# Altium PCB eps-flight.PcbDoc (part 4 of 4)
Units mm, origin at the board's own origin, x right, y up, seen from the top; angles counter-clockwise.
Board outline 94.67 x 90.17 mm, 4 copper layers (Top Layer, GND, VCC, Bottom Layer), stack 0.778 mm thick; 267 components, 191 nets, 1098 pads, 693 vias.
Unrouted connection lines stored in the file: 8.
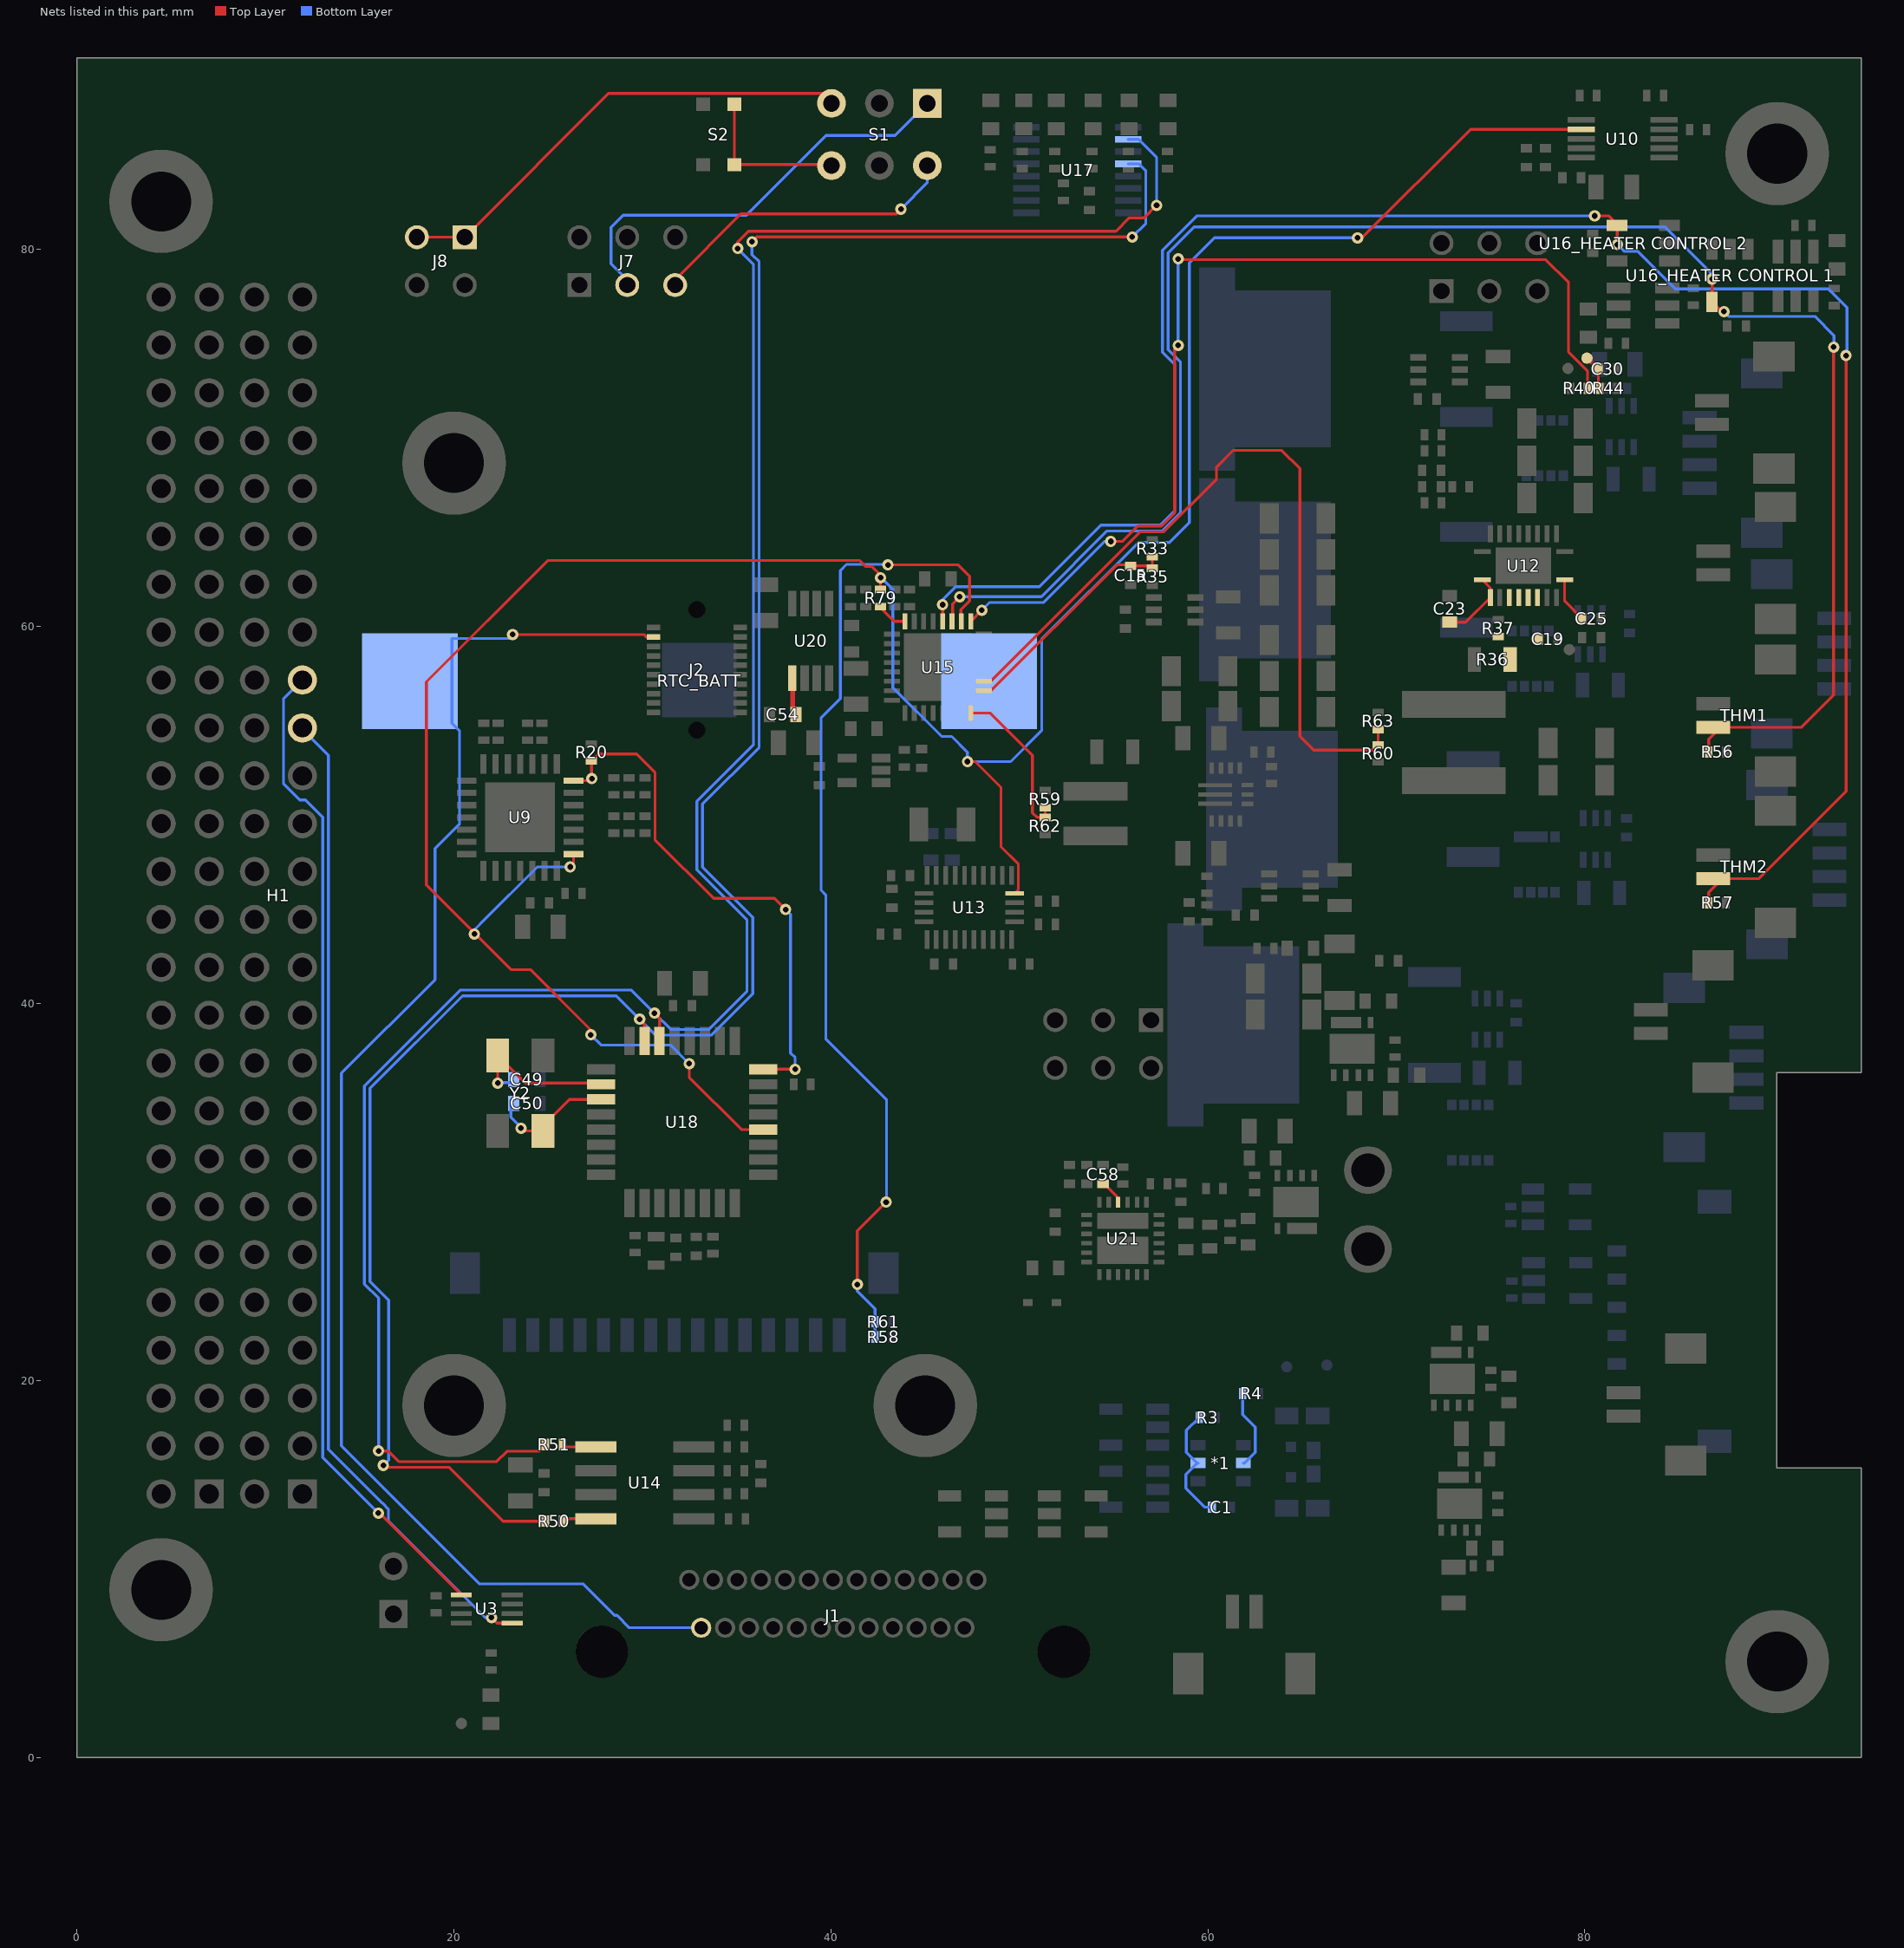
[diagram p6: the nets of this part, all layers, seen from the top]

## Via types
v1: diameter 0.6, hole 0.3, Top Layer to Bottom Layer, tented both sides, 693 vias

## Nets (pads, with @x,y where several pads share a name; then routed paths per layer and width w, separated by ;. In a path a pad name is that pad's centre, name@x,y a point inside that pad or via, vN(x,y) a via of type N, cw(c..) or ccw(c..) an arc to the next point about the centre after c; other vN are vias at no path point) (continued)
RST_PEX: R20.1 U9.14 U18.32 | length 28.6
  Top Layer w0.152: U9.14@26.345,51.821 27.207,51.821 v1@27.298,51.912 ; U18.32@36.407,36.51 v1(38.1,36.51) ; v1(37.596,44.983) 37.002,45.577 33.782,45.577 30.668,48.691 30.668,52.261 29.69,53.238 27.67,53.238 R20.1@27.298,52.866 v1@27.298,51.912 ; v1@27.298,51.912 27.298,51.832 27.399,51.934 v1(27.32,51.934) v1@27.298,51.912
  Bottom Layer w0.152: v1(37.596,44.983) 37.854,44.725 37.854,37.372 38.1,37.126 v1(38.1,36.51)
RST_PROG: J7.5 S1.4 | length 16.7
  Top Layer w0.152: J7.5@31.733,78.117 31.733,78.404 35.221,81.891 43.461,81.891 v1(43.713,82.144)
  Bottom Layer w0.152: v1(43.713,82.144) 45.11,83.541 S1.4@45.11,84.455
RST_SW: S1.6 S2.1 | length 8.4
  Top Layer w0.152: S2.1@34.873,87.706 S2.1@34.873,84.506 39.979,84.506 S1.6@40.03,84.455
RTC_VBATT: J1.25 J2.17 RTC_BATT.1 | length 79.7
  Top Layer w0.152: v1(23.114,59.575) 30.073,59.575 30.208,59.44 J2.17@30.59,59.44
  Bottom Layer w0.152: v1(23.114,59.575) 22.899,59.36 19.89,59.36 19.89,54.864 20.299,54.455 20.299,49.538 18.991,48.23 18.991,41.261 14.026,36.297 14.026,16.533 21.357,9.202 26.856,9.202 28.517,7.54 28.644,7.54 29.305,6.88 J1.25@33.115,6.88
  Bottom Layer w0.2: v1(23.114,59.575) v1@23.253,59.575
RTRYDLY: C58.2 U21.10 | length 1.4
  Top Layer w0.152: C58.2@54.436,30.434 54.436,30.278 54.635,30.278 55.236,29.676 U21.10@55.236,29.443
RX_SW: J8.1 J8.3 S1.3 | length 25.4
  Top Layer w0.152: J8.3@18.034,80.657 J8.1@20.574,80.657 28.201,88.285 39.503,88.285 S1.3@40.03,87.757
RXCAN: R50.2 U17.12 U18.7 | length 123.5
  Top Layer w0.152: v1(16.256,15.494) 16.363,15.387 19.754,15.387 22.606,12.534 R50.2@24.851,12.534 R50.2@24.851,12.79 ; v1(29.852,39.163) 30.107,38.908 U18.7@30.107,38.01 ; v1@35.814,80.396 v1(35.814,80.417) 36.068,80.67 v1(55.982,80.67)
  Bottom Layer w0.152: v1(16.256,15.494) 16.531,15.769 16.531,24.263 15.55,25.244 15.55,35.5 20.457,40.407 28.608,40.407 v1(29.852,39.163) 30.698,38.317 33.652,38.317 35.848,40.513 35.848,44.565 33.192,47.221 33.192,50.591 36.19,53.588 36.19,79.353 35.814,79.729 v1(35.814,80.417) ; U17.12@55.774,84.548 56.331,84.548 56.703,84.176 56.703,81.392 v1(55.982,80.67)
RXD_R: R50.1 U14.4 | length 1.8
  Top Layer w0.152: R50.1@25.751,12.534 25.878,12.661 U14.4@27.527,12.661
SCK: R79.1 U9.8 U10.7 U13.19 U18.28 | length 147.6
  Top Layer w0.15: v1(21.082,43.688) v1@21.082,43.745 ; v1(26.162,47.244) 26.345,47.427 U9.8@26.345,47.921 ; v1(27.257,38.34) 27.257,38.595 24.056,41.796 23.031,41.796 v1@21.082,43.745 ; v1(32.48,36.803) 32.48,36.084 35.254,33.31 U18.28@36.407,33.31 ; R79.1@42.628,61.959 v1(42.628,62.586) ; v1@42.628,62.731 42.164,63.195 41.831,63.195 41.528,63.499 24.974,63.499 18.539,57.064 18.539,46.288 v1@21.082,43.745 ; v1(47.244,52.832) 47.65,52.832 49.022,51.46 49.022,48.305 49.943,47.384 49.943,46.042 U13.19@49.74,45.84 ; v1(67.938,80.623) 68.177,80.623 73.93,86.376 U10.7@79.799,86.376
  Bottom Layer w0.15: v1(21.082,43.688) 21.082,43.911 21.217,44.046 ; 21.218,44.046 21.527,44.355 ; 21.527,44.356 24.415,47.244 v1(26.162,47.244) ; v1(27.257,38.34) 27.804,37.792 31.491,37.792 v1(32.48,36.803) ; v1(42.628,62.586) 42.663,62.586 43.273,61.975 43.288,61.975 43.288,56.752 45.874,54.165 46.402,54.165 47.244,53.324 v1(47.244,52.832) 49.53,52.832 51.179,54.481 51.179,59.329 56.313,64.463 57.96,64.463 59.008,65.511 59.008,79.29 60.342,80.623 v1(67.938,80.623)
SCK_A: J7.3 S1.1 | length 22.9
  Bottom Layer w0.152: J7.3@29.193,78.117 29.193,78.384 28.33,79.248 28.33,81.173 28.983,81.826 35.516,81.826 39.746,86.055 43.409,86.055 S1.1@45.11,87.757
SCLK_R: R79.2 U15.24 | length 1.8
  Top Layer w0.152: R79.2@42.628,61.17 R79.2@42.628,61.059 42.628,60.991 43.343,60.276 U15.24@43.922,60.276
SS: C25.2 U12.10 | length 2.4
  Top Layer w0.15: U12.10@78.921,62.477 78.921,61.353 C25.2@79.855,60.419
SW_BOOST: C19.1 R36.2 R37.1 U12.4 U12.5 U12.6 U12.7
THM_3V3_TOP: R59.1 R62.2 U15.8 | length 8.5
  Top Layer w0.152: U15.8@47.422,55.406 48.456,55.406 50.688,53.174 50.688,50.118 50.936,49.87 R62.2@51.365,49.87 R59.1@51.365,50.387
THM_5V_TOP: R60.1 R63.2 U15.11 | length 42.2
  Top Layer w0.152: U15.11@48.107,57.091 48.48,57.091 56.413,65.024 57.658,65.024 60.452,67.818 60.452,68.469 61.325,69.342 63.912,69.342 64.872,68.382 64.872,54.179 65.61,53.44 68.749,53.44 R60.1@69.027,53.718 R63.2@69.027,54.538
THM_BATT1: "U16_HEATER CONTROL 1.4" R56.2 THM1.2 U15.19 | length 95.7
  Top Layer w0.152: U15.19@46.422,60.276 46.451,60.304 46.451,61.201 v1(46.831,61.582) ; R56.2@86.57,53.34 86.57,54.021 87.2,54.651 91.482,54.651 93.193,56.362 v1(93.193,74.828) ; v1(86.744,78.442) 86.744,77.222 87.258,76.708 v1(87.376,76.708)
  Bottom Layer w0.152: v1(46.831,61.582) 51.162,61.582 54.652,65.071 57.596,65.071 58.539,66.014 58.539,74.046 57.891,74.693 57.891,79.83 59.263,81.201 63.409,81.201 84.239,81.201 v1@86.998,78.442 ; v1(87.376,76.708) 87.63,76.454 92.202,76.454 93.218,75.438 93.218,74.854 v1(93.193,74.828)
THM_BATT2: "U16_HEATER CONTROL 2.4" R57.2 THM2.2 U15.20 | length 105
  Top Layer w0.152: U15.20@45.922,60.276 v1(45.922,61.158) ; v1(80.518,81.788) 81.252,81.788 81.716,81.323 81.687,81.294 81.694,81.287 81.716,81.265 v1(81.716,80.264) ; R57.2@86.57,45.34 86.57,45.89 87.307,46.627 89.23,46.627 93.853,51.25 v1(93.853,74.381)
  Bottom Layer w0.152: v1(45.922,61.158) 45.922,61.42 46.612,62.11 51.061,62.11 54.327,65.376 57.47,65.376 58.234,66.14 58.234,73.905 57.587,74.553 57.587,79.956 59.419,81.788 63.652,81.788 v1(80.518,81.788) ; v1(81.716,80.264) 82.072,79.908 82.351,79.908 82.359,79.916 82.798,79.916 84.8,77.913 92.913,77.913 93.907,76.919 93.907,74.434 v1(93.853,74.381)
THM_PAY_CONN: R58.1 R61.2 U15.18 | length 53.4
  Top Layer w0.152: v1(41.402,25.092) 41.402,27.94 v1(42.926,29.464) ; v1(43.028,63.271) 46.755,63.271 47.36,62.666 47.36,61.363 46.893,60.896 46.893,60.304 U15.18@46.922,60.276
  Bottom Layer w0.152: v1(41.402,25.092) 41.402,24.729 42.336,23.794 R61.2@42.336,23.114 R61.2@42.336,22.824 ; R58.1@42.336,22.302 R61.2@42.336,22.824 ; R61.2@42.343,22.83 R61.2@42.336,22.824 ; v1(42.926,29.464) 42.947,29.485 42.947,34.899 39.726,38.12 39.726,45.756 39.48,46.002 39.48,55.162 40.497,56.179 40.497,62.962 40.832,63.297 43.028,63.297 v1(43.028,63.271)
TRANS_RxD: H1.33 U3.1 | length 52.8
  Top Layer w0.152: v1(21.996,7.416) 22.289,7.124 U3.1@23.092,7.124
  Bottom Layer w0.152: H1.33@11.96,54.62 11.96,54.545 13.34,53.166 13.34,16.343 16.199,13.485 16.212,13.485 16.522,13.175 16.522,12.547 21.653,7.416 v1(21.996,7.416)
TRANS_TxD: H1.35 U3.5 | length 53.1
  Top Layer w0.152: v1(15.993,12.956) 16.06,12.956 U3.5@20.392,8.624
  Bottom Layer w0.152: H1.35@11.96,57.16 10.957,56.156 10.957,51.664 11.821,50.8 12.12,50.8 13.035,49.885 13.035,15.914 v1(15.993,12.956)
TRIM/NR: C54.2 U20.5 | length 2
  Top Layer w0.25: U20.5@37.952,57.266 37.973,57.246 37.973,55.493 C54.2@38.133,55.332
TXCAN: R51.2 U17.10 U18.6 | length 124.8
  Top Layer w0.152: v1(16.002,16.256) 16.51,16.256 17.075,15.691 22.27,15.691 22.817,16.239 24.492,16.239 R51.2@24.851,16.598 ; v1(30.637,39.49) 30.907,39.22 U18.6@30.907,38.01 ; v1(35.052,80.06) 35.052,80.402 35.625,80.975 55.116,80.975 55.828,81.686 56.619,81.686 v1(57.277,82.344)
  Bottom Layer w0.152: v1(16.002,16.256) 16.002,24.361 15.246,25.117 15.246,35.627 20.33,40.711 29.415,40.711 v1(30.637,39.49) 30.637,39.486 31.501,38.621 33.526,38.621 35.543,40.639 35.543,44.439 32.888,47.095 32.888,50.717 35.885,53.715 35.885,79.226 v1(35.052,80.06) ; U17.10@55.774,85.848 56.323,85.848 57.277,84.894 v1(57.277,82.344)
TXD_R: R51.1 U14.1 | length 1.8
  Top Layer w0.152: R51.1@25.751,16.598 25.878,16.471 U14.1@27.527,16.471
VCC_BOOST: C23.2 U12.1 U12.2 | length 3.8
  Top Layer w0.152: C23.2@72.825,60.229 73.673,60.229 U12.2@74.986,61.542 74.986,62.042 U12.1@74.551,62.477
VDD: *1.5 C1.2 R3.1 | length 6.4
  Bottom Layer w0.152: *1.5@59.478,15.611 *1.5@59.43,15.611 ; R3.1@59.537,18.034 58.85,17.347 58.85,16.191 *1.5@59.43,15.611 ; C1.2@60.206,13.274 59.838,13.274 58.826,14.286 58.826,15.007 *1.5@59.43,15.611
VM: *1.2 R4.2 | length 4.3
  Bottom Layer w0.152: R4.2@61.845,19.304 61.845,18.19 62.507,17.528 62.507,16.191 61.926,15.611 *1.2@61.878,15.611
VMON_3V3: C15.2 R33.1 R35.2 U15.10 | length 12.3
  Top Layer w0.152: U15.10@48.107,56.591 48.486,56.591 55.166,63.271 55.964,63.271 C15.2@55.905,63.213 57.029,63.213 57.048,63.232 R33.1@57.048,63.695
VMON_5V: C30.1 pad.6 R40.1 R44.2 U15.17 | length 56.5
  Top Layer w0.152: U15.17@47.422,60.276 v1(48.006,60.86) ; v1(54.844,64.516) 55.474,64.516 56.287,65.328 57.531,65.328 58.234,66.031 58.234,74.726 v1(58.42,74.912) ; v1(58.42,79.502) 58.458,79.464 77.925,79.464 79.128,78.26 79.128,74.563 80.14,73.551 R40.1@80.14,72.644 R44.2@80.794,72.644 80.714,72.724 C30.1@80.714,73.66
  Top Layer w0.2: pad.6@80.106,74.238 C30.1@80.714,73.66
  Bottom Layer w0.152: v1(48.006,60.86) 48.423,61.277 51.296,61.277 54.535,64.516 v1(54.844,64.516) ; v1(58.42,74.912) v1(58.42,79.502)
XTAL1: C49.2 U18.10 Y2.1 | length 8.3
  Top Layer w0.152: v1(22.327,35.77) 22.323,35.774 Y2.1@22.323,37.234 23.773,35.784 27.733,35.784 U18.10@27.807,35.71
  Bottom Layer w0.152: v1(22.327,35.77) 22.353,35.796 C49.2@23.043,35.796
XTAL2: C50.2 U18.11 Y2.3 | length 6.8
  Top Layer w0.152: v1(23.557,33.38) 23.702,33.234 Y2.3@24.723,33.234 24.723,33.502 26.131,34.91 U18.11@27.807,34.91
  Bottom Layer w0.152: C50.2@23.027,34.834 23.027,33.97 23.557,33.44 v1(23.557,33.38)
pads on no net: *1.4 DEP+. DEP-. H1.1 H1.2 H1.3 H1.4 H1.5 H1.6 H1.7 H1.8 H1.9 H1.10 H1.11 H1.12 H1.13 H1.14 H1.15 H1.16 H1.17 H1.18 H1.19 H1.20 H1.21 H1.22 H1.23 H1.24 H1.25 H1.26 H1.27 H1.28 H1.29 H1.30 H1.31 H1.32 H1.34 H1.36 H1.37 H1.38 H1.39 H1.40 H1.41 H1.42 H1.43 H1.44 H1.45 H1.46 H1.47 H1.48 H1.49 H1.50 H1.51 H1.52 H2.1 H2.2 H2.3 H2.4 H2.5 H2.6 H2.7 H2.8 H2.9 H2.10 H2.11 H2.12 H2.13 H2.14 H2.15 H2.16 H2.17 H2.18 H2.19 H2.20 H2.21 H2.22 H2.23 H2.24 H2.27 H2.28 H2.33 H2.34 H2.35 H2.36 H2.37 H2.38 H2.39 H2.40 H2.41 H2.42 H2.43 H2.44 H2.45 H2.46 H2.47 H2.48 H2.49 H2.50 H2.51 H2.52 HEAT1. HEAT2. J1. J2. J3. J4. J6. PX+. PX-. PY+. PY-. THM1. THM2. U1.1 U2.1 U13.1 U13.7 U13.8 U13.12 U13.13 U13.21 U13.22 U13.23 U13.24 U20.1 U20.3 U20.7 U20.8 U21.13

## Polygon pours and split planes (outlines as drawn)
-PACK_RBF on Top Layer "Top Layer--PACK_RBF 1" (solid, remove dead copper, pour order 305): 74.555,14.313 70.358,14.313 70.358,16.463 65.04,16.463 65.04,9.144 74.555,9.144
GND on Top Layer "Top Layer-GND 11" (solid, remove dead copper, pour order 308): 64.203,42.904 65.024,43.725 65.024,44.302 61.976,44.302 61.976,38.397 62.428,37.922 64.203,37.922
no net on Top Layer "Top Layer-No Net 7" (solid, remove dead copper, pour order 451): 64.664,9.798
+5V on Top Layer "Top Layer-+5V" (solid, remove dead copper, pour order 362): 74.313,75.934 71.018,75.934 71.018,78.75 78.638,78.75 78.638,73.629 74.32,73.629 74.32,74.922 74.313,74.94
+PACK_FILT on Top Layer "Top Layer-+PACK_R 1" (solid, remove dead copper, pour order 309): 64.613,38.614 66.192,38.614 66.192,41.92 69.304,41.92 69.304,45.593 66.13,45.593 66.13,45.101 64.613,45.101
GND on Top Layer "Top Layer-GND 6" (solid, remove dead copper, pour order 447): 30.063,57.005 28.031,57.005 28.031,59.463 30.063,59.463
GND on Top Layer "Top Layer-GND 10" (solid, remove dead copper, pour order 445): 35.23,38.76 29.186,38.754 29.186,37.416 28.55,36.779 27.076,36.779 27.076,30.632 28.575,30.632 29.058,30.15 29.058,28.651 35.23,28.651 35.23,30.175 35.687,30.632 37.186,30.632 37.186,36.805 35.687,36.805 35.23,37.262
+PACK on Top Layer "Top Layer-+PACK" (solid, remove dead copper, pour order 441): 59.895,47.09 65.766,47.09 66.366,46.49 69.01,46.49 69.01,44.291 69.024,44.277 78.738,44.277 78.738,52.26 78.738,55.242 76.986,55.242 76.986,53.348 76.206,52.568 69.939,52.568 69.939,52.26 59.895,52.26
GND on Top Layer "Top Layer-GND 2" (solid, remove dead copper, pour order 439): 52.017,30.977 57.838,30.977 57.992,30.823 57.992,29.705 60.096,29.705 60.096,30.735 58.627,32.204 56.722,32.204 51.07,32.204 49.786,30.921 49.786,23.314 51.2,23.315 51.2,27.49 51.2,30.161
GND on Top Layer "Top Layer-GND 7" (solid, remove dead copper, pour order 437): 49.74,47.42 49.74,42.926 45.028,42.926 45.028,43.594 44.39,44.231 44.39,45.932 44.94,46.482 44.94,47.42
GND on Top Layer "Top Layer-GND 8" (solid, remove dead copper, pour order 415): 47.539,60.647 43.734,60.647 43.729,59.834 43.639,59.744 42.84,59.744 42.84,55.921 43.554,55.913 43.824,55.643 43.824,55.029 43.807,55.013 47.509,55.013 47.539,54.983 47.539,55.719 47.768,55.948 48.504,55.948 48.504,59.743 47.781,59.744 47.539,59.986
GND on Top Layer "Top Layer-GND 9" (solid, remove dead copper, pour order 413): 20.142,47.728 21.209,47.728 21.387,47.55 21.387,46.534 25.601,46.534 25.612,46.522 25.612,47.509 25.857,47.753 26.856,47.753 26.899,47.796 26.899,51.995 25.854,51.995 25.629,52.22 25.629,53.189 21.387,53.189 21.387,52.233 21.133,51.979 20.142,51.979
GND on Top Layer "Top Layer-GND 5" (solid, remove dead copper, pour order 411): 65.297,53.829 65.297,69.841 65.297,73.812 69.325,73.812 69.325,70.572 68.924,70.572 68.108,69.756 68.108,53.829 65.359,53.829 65.327,53.798
GND on Top Layer "Top Layer-GND 3" (solid, remove dead copper, pour order 371): 91.592,77.978 89.052,77.978 89.052,75.25 91.592,75.25
GND on Top Layer "Top Layer-GND 3" (solid, remove dead copper, pour order 407): 82.45,77.295 82.45,79.248 79.146,79.248 79.146,77.295
+PACK_DEP on Top Layer "Top Layer-+PACK_R" (solid, remove dead copper, pour order 368): 68.174,38.608 64.719,38.608 64.719,43.713 65.948,43.713 65.948,41.224 68.732,41.224 68.732,38.862 68.174,38.862
+3V3 on Top Layer "Top Layer-+3V3" (solid, remove dead copper, pour order 367): 61.937,73.9 64.541,71.296 64.541,60.939 60.195,60.939 60.195,62.052 57.81,62.052 57.81,73.9
+5V_R on Top Layer "Top Layer-+5V_R" (solid, remove dead copper, pour order 361): 77.622,64.496 76.352,64.496 76.352,65.428 74.828,66.952 74.828,68.193 74.187,68.834 74.187,72.898 75.974,72.898 77.622,71.25
no net on Top Layer "Top Layer-No Net 6" (solid, pour order 393): 60.695,73.59
+3V3_R on Top Layer "Top Layer-+3V3_R" (solid, remove dead copper, pour order 318): 62.093,53.827 63.831,53.827 63.831,60.17 60.113,60.17 60.113,52.049 62.093,52.049
-PACK_DEP on Top Layer "Top Layer--PACK_RBF" (solid, pour order 342): 68.986,14.313 68.986,20.984 75.391,20.984 75.391,19.304 74.38,19.304 74.38,17.212 74.555,17.038 74.555,14.313
GND on Top Layer "Top Layer-GND 4" (solid, remove dead copper, pour order 385): 57.839,29.156 53.166,29.156 53.166,27.508 57.839,27.508
+PAY on Top Layer "Top Layer-+PAY" (solid, pour order 333): 56.736,25.96 57.738,24.958 57.738,21.18 51.691,21.18 51.691,26.987 53.996,26.987 53.996,25.981
+PACK_RAW on Top Layer "Top Layer-+PACK_RAW 1" (solid, remove dead copper, pour order 360): 63.756,32.51 64.655,31.611 64.655,30.423 63.5,30.423 63.5,30.216 65.43,30.216 65.43,28.479 69.494,28.481 69.494,29.053 73.08,29.053 73.08,34.747 67.529,34.747 67.529,36.578 68.89,36.574 68.89,38.414 63.262,38.426 63.262,32.51
SW_BOOST on Top Layer "Top Layer-SW_BOOST" (solid, remove dead copper, pour order 323): 75.77,61.945 77.554,61.945 77.554,60.542 77.867,60.229 77.867,57.373 75.617,57.373 75.617,58.67 75.008,59.28 75.008,59.659 75.77,59.659
GND on Top Layer "Top Layer-GND" (solid, remove dead copper, pour order 322): 84.757,61.031 85.573,61.847 85.573,66.304 84.328,67.583 84.328,71.552 79.294,71.552 79.294,66.467 78.294,65.467 77.866,65.467 77.866,62.477 78.156,62.477 78.544,62.865 78.544,62.961 79.455,62.961 79.709,62.707 79.709,61.345 80.525,60.53 80.525,49.499 84.757,49.499 84.757,50.28 85.344,50.867 85.344,55.143 84.757,55.747
+5V on Top Layer "Top Layer-+5V 1" (solid, remove dead copper, pour order 381): 88.3,74.203 86.36,74.203 86.36,71.566 88.3,71.566
+5V on Top Layer "Top Layer-+5V 2" (solid, remove dead copper, pour order 376): 88.29,66.294 86.512,66.294 86.512,63.658 88.29,63.658
GND on Top Layer "Top Layer-GND 1" (solid, remove dead copper, pour order 320): 72.154,60.929 71.423,60.198 68.564,60.198 68.564,64.684 68.564,69.342 69.041,69.819 71.463,69.819 71.835,69.446 71.835,66.263 72.089,66.009 73.867,66.009 75.645,64.231 75.823,64.231 75.823,62.379 75.644,62.2 74.981,62.863 73.963,62.863 73.953,62.873 73.867,62.787 73.867,61.75 73.046,60.929
IL_BT on Top Layer "Top Layer-IL_BT" (solid, remove dead copper, pour order 324): 74.602,59.688 74.602,58.139 76.098,56.643 76.098,55.118 70.002,55.118 70.002,59.688
no net on Top Layer "Top Layer-No Net 5" (solid, pour order 351): 70.479,22.582
+PAY_LIM on Top Layer "Top Layer-+PAY_LIM" (solid, pour order 350): 57.738,21.165 57.738,24.958 56.579,26.117 53.177,26.117 53.177,27.672 56.906,27.672 61.548,27.672 61.548,28.455 67.456,28.455 67.469,21.165
no net on Top Layer "Top Layer-No Net 4" (solid, pour order 349): 54.121,27.644
no net on Top Layer "Top Layer-No Net 1" (solid, pour order 334): 70.25,19.49
-PACK_RAW on Top Layer "Top Layer-RTC_BATT_GND" (solid, remove dead copper, pour order 332): 74.597,23.788 73.485,22.562 73.485,21.032 66.802,21.032 66.802,28.878 74.597,28.878
no net on Top Layer "Top Layer-No Net 2" (solid, pour order 331): 69.64,33.68
no net on Top Layer "Top Layer-No Net 3" (solid, pour order 326): 76.09,31.62
no net on Top Layer "Top Layer-No Net" (solid, pour order 321): 78.156,62.707
GND on Top Layer "GND" (solid, pour order 317): 59.351,45.796 59.351,48.767 58.744,48.767 58.739,50.467 61.639,50.467 61.639,50.967 58.739,50.967 58.739,52.667 59.351,52.667 59.351,58.532 55.656,58.532 55.656,45.796
IL_BB on Top Layer "Top Layer-IL_BB" (solid, remove dead copper, pour order 316): 56.099,50.767 56.099,51.719 54.737,51.719 54.737,54.069 52.197,54.069 51.909,53.781 51.909,50.767
L1 on Top Layer "NetBB1_3" (solid, remove dead copper, pour order 314): 56.282,48.227 55.807,47.752 52.418,47.752 51.91,48.26 51.91,49.471 56.036,49.471 56.036,50.843 57.498,50.826 57.516,50.843 57.516,48.227
L2 on Top Layer "GND" (solid, pour order 315): 55.499,54.069 55.499,51.371 57.526,51.371 57.526,54.069
L1 on Top Layer "NetBB1_3" (solid, pour order 311): 61.839,49.605 61.839,50.779 58.742,50.779 58.742,48.767 59.981,48.767 59.981,49.605
L2 on Top Layer "+VBATT" (solid, pour order 310): 61.822,51.413 61.822,52.493 59.964,52.493 59.964,53.319 58.722,53.319 58.722,51.413
I_X- on Bottom Layer "Bottom Layer-I_X-" (solid, pour order 343): 76.263,59.304 75.082,60.486 75.031,65.532 71.286,65.532 71.286,56.134 80.162,56.134 80.162,57.526 78.384,59.304
GND on Bottom Layer "Bottom Layer-GND 6" (solid, remove dead copper, pour order 365): 77.889,60.706 78.232,60.706 78.232,64.549 75.194,64.549 75.194,59.436 77.889,59.436
GND on Bottom Layer "Bottom Layer-GND 8" (solid, remove dead copper, pour order 364): 76.352,70.612 76.352,73.914 78.638,73.914 78.638,70.612
GND on Bottom Layer "Bottom Layer-GND 2" (solid, remove dead copper, pour order 435): 34.677,23.784 37.725,23.784 37.725,18.548 34.677,18.548
GND on Bottom Layer "Bottom Layer-GND 2" (solid, remove dead copper, pour order 433): 27.916,23.887 30.964,23.887 30.964,18.651 27.916,18.651
GND on Bottom Layer "Bottom Layer-GND 2" (solid, remove dead copper, pour order 431): 23.956,23.633 27.004,23.633 27.004,18.397 23.956,18.397
+PAY on Bottom Layer "Bottom Layer-+PAY 1" (solid, remove dead copper, pour order 429): 41.095,24.337 37.303,24.337 37.303,16.267 41.095,16.267 41.095,24.337
+3V3 on Bottom Layer "Top Layer-+3V3 1" (solid, remove dead copper, pour order 427): 32.434,18.675 30.994,18.675 30.994,23.911 32.434,23.911
GND on Bottom Layer "Bottom Layer-+5V" (solid, remove dead copper, pour order 405): 80.645,25.212 83.947,25.212 83.947,22.592 80.645,22.592
I_X+ on Bottom Layer "Bottom Layer-I_X+" (solid, pour order 345): 76.42,70.104 75.414,71.109 75.355,76.962 72.314,76.962 72.314,67.056 81.911,67.056 81.911,68.58 81.658,68.58 80.134,70.104
+5V on Bottom Layer "Bottom Layer-+5V" (solid, remove dead copper, pour order 373): 82.2,17.903 79.387,17.903 79.387,20.523 82.2,20.523
+PACK on Bottom Layer "Bottom Layer-+PACK" (solid, remove dead copper, pour order 359): 66.954,55.146 70.96,51.14 70.96,45.436 66.954,41.43 66.954,35.882 64.346,33.274 57.81,33.274 57.81,44.76 59.787,46.736 59.785,56.55 59.334,57.001 59.334,79.248 66.954,79.248
GND on Bottom Layer "Bottom Layer-GND 5" (solid, remove dead copper, pour order 372): 75.612,32.266 75.612,29.587 73.326,29.587 73.326,32.266
GND on Bottom Layer "Bottom Layer-GND 7" (solid, remove dead copper, pour order 366): 77.79,48.562 77.79,49.423 79.463,49.423 79.463,51.033 75.702,51.033 75.702,48.562
-PACK_RBF on Bottom Layer "Bottom Layer-GND" (solid, remove dead copper, pour order 363): 72.154,15.869 72.154,5.54 61.878,5.54 61.878,10.926 65.04,14.088 65.04,15.89
I_Y- on Bottom Layer "Bottom Layer-I_Y-" (solid, pour order 348): 74.838,37.059 74.838,36.022 74.973,35.887 75.617,35.887 75.617,34.29 69.589,34.29 69.589,42.164 73.722,42.164 73.762,38.135
I_Y+ on Bottom Layer "Bottom Layer-I_Y+" (solid, pour order 347): 76.798,48.292 75.792,49.297 75.738,54.651 71.621,54.651 71.621,44.958 80.264,44.958 80.264,46.768 79.319,46.768 77.795,48.292
I_X+_R on Bottom Layer "Bottom Layer-I_X+_R" (solid, remove dead copper, pour order 346): 83.718,69.342 83.039,68.662 83.039,67.15 83.617,66.572 87.095,66.572 87.095,69.342
I_Y-_R on Bottom Layer "Bottom Layer-I_Y-_R" (solid, remove dead copper, pour order 344): 78.563,39.648 75.946,37.031 75.946,34.036 89.738,34.036 89.738,39.648
I_Y+_R on Bottom Layer "Bottom Layer-I_Y+_R" (solid, remove dead copper, pour order 327): 94.488,47.609 89.455,47.609 86.805,44.946 81.388,44.946 81.388,46.72 85.214,50.546 94.488,50.546
I_X-_R on Bottom Layer "Bottom Layer-I_X-_R" (solid, remove dead copper, pour order 325): 86.671,55.869 89.324,58.521 94.234,58.521 94.234,61.722 86.287,61.722 82.477,57.912 81.28,57.912 81.28,55.868
GND on Bottom Layer "Bottom Layer-GND 1" (solid, remove dead copper, pour order 341): 84.988,69.462 84.988,72.185 91.005,72.185 91.005,69.462
GND on Bottom Layer "Bottom Layer-GND 2" (solid, remove dead copper, pour order 340): 94.234,58.309 94.234,55.051 89.513,55.051 89.513,58.309
GND on Bottom Layer "Bottom Layer-GND 3" (solid, remove dead copper, pour order 339): 94.488,47.693 94.488,44.645 89.513,44.645 89.513,47.693
GND on Bottom Layer "Bottom Layer-GND 4" (solid, remove dead copper, pour order 338): 89.918,36.576 89.918,33.02 84.863,33.02 84.863,36.576
no net on Bottom Layer "Bottom Layer-No Net" (solid, pour order 337): 40.29,23.04
no net on Bottom Layer "Bottom Layer-No Net 1" (solid, pour order 336): 40.29,23.04
+PAY on Bottom Layer "Bottom Layer-No Net 2" (solid, pour order 335): 39.144,20.958
no net on Bottom Layer "Bottom Layer-No Net 3" (solid, pour order 330): 37.42,11.2
GND on Bottom Layer "Bottom Layer-GND" (solid, remove dead copper, pour order 329): 72.154,20.314 72.154,15.66 66.34,15.66 65.041,15.66 65,15.701 65.04,15.741 65.04,17.07 65.04,20.335
+3V3 on VCC "+3V3" (solid, remove dead copper, pour order 409): -0.577,90.136 95.123,90.136 95.123,0.036 -0.677,0.036
+5V on VCC "VCC-+5V" (solid, remove dead copper, pour order 313): 44.802,76.76 15.114,76.76 13.798,75.444 13.798,40.833 -0.68,40.833 -0.68,90.198 32.918,90.198 32.918,90.17 95.275,90.17 95.275,0 79.527,0 79.527,29.667 84.082,34.222 84.082,62.105 83.018,63.17 73.488,63.17 73.488,74.802 71.53,76.76
L1 on VCC "VCC-L1" (solid, remove dead copper, pour order 353): 60.617,48.125 56.02,48.125 56.02,50.8 60.617,50.8
L2 on VCC "VCC-L2" (solid, remove dead copper, pour order 354): 56.02,53.983 60.617,53.983 60.617,51.308 56.02,51.308
-PACK_RBF on VCC "VCC--PACK_PRO" (solid, pour order 401): 62.029,12.103 65.719,15.793 72.06,15.793 72.06,10.668 68.949,10.668 67.486,9.205 67.486,5.61 62.181,5.61 62.029,5.762
+PAY on VCC "Bottom Layer-+PAY" (solid, pour order 403): 37.44,16.002 56.696,16.002 61.874,20.722 61.874,30.734 37.44,30.734
GND on GND "GND" (solid, pour order 312): -0.51,90.1 95.19,90.1 95.19,0 -0.61,0

## Silkscreen, mask and mechanical layers (free items; w line width, h text height)
Top Overlay:
  drawing of 165 lines, arcs and shapes, not listed
  text "RSTn" at 60.179,85.353 h0.75 r90
  text "TX" at 61.398,85.353 h0.75 r90
  text "RX" at 62.617,85.353 h0.75 r90
  text "TXCAN" at 63.836,85.353 h0.75 r90
  text "RXCAN" at 65.056,85.353 h0.75 r90
  text "DAC" at 75.96,83.29 h0.75 r90
  text "RST" at 33.02,82.864 h0.75
  text "PGM" at 27.845,82.598 h0.75
  text "RUN<->PGM" at 39.377,82.042 h0.75
  text "RX" at 14.208,80.315 h0.75
  text "GND" at 67.938,79.756 h0.75
  text "TX" at 14.208,77.606 h0.75
  text "TP2" at 78.047,74.93 h0.4
  text "TP3" at 77.62,73.91 h0.4
  text "BUCK-BOOST" at 58.445,73.838 h0.75
  text "ADC" at 34.798,65.659 h0.75
  text "OBC CONN" at 23.626,61.722 h0.75
  text "TP1" at 78.72,57.82 h0.4
  text "TXD" at 15.096,56.688 h0.75
  text "RXD" at 15.096,54.148 h0.75
  text "ADDR" at 27.94,52.878 h0.75
  text "1" at 30.936,51.175 h0.75
  text "PEX" at 18.75,50.95 h0.75 r90
  text "GND" at 1.778,49.825 h0.75 r90
  text "0" at 30.936,49.028 h0.75
  text "BOOST" at 80.117,48.288 h0.75
  text "012" at 28.437,47.498 h0.75
  text "IMU" at 40.52,43.86 h0.75 r90
  text "+5V" at 1.778,43.434 h0.75 r90
  text "MICRO" at 34.1,42.57 h0.75
  text "Load / Switch" at 73.05,38.405 h0.75
  text "GND" at 59.182,35.971 h0.75
  text "DO NOT INVERT TERMINALS" at 72.898,34.265 h0.75
  text "+" at 67.132,32.258 h1.52
  text "+" at 84.811,30.48 h3
  text "-" at 87.401,24.917 h3 r90
  text "-" at 68.377,24.638 h1.52 r90
  text "DO NOT INVERT TERMINALS" at 83.693,24.028 h0.75 r90
  text "PAY_ILIM" at 53.63,19.86 h0.75
  text "CAN" at 25.07,19.74 h0.75
  text "3V3" at 15.748,11.938 h0.75
  text "TRANS_UART" at 12.954,5.08 h0.75
  text "DSUB" at 56.82,2.515 h0.75 r90
  text "ANT_DEP" at 14.732,2.032 h0.75
  text "BLINKS WHEN / DEPLOYING ---->" at 2.794,1.8 h0.75
  text "RBF" at 67.361,1.473 h0.75 r90
Bottom Overlay:
  drawing of 108 lines, arcs and shapes, not listed
  text "SOLAR" at 73.406,81.557 h0.75
  text "BATT PRO" at 68.05,22.09 h0.75
  text "TP5" at 65.54,21 h0.4
  text "TP4" at 67.91,20.66 h0.4
  text "HERON MK II" at 28.956,11.68 h1
  text "!" at 43.688,6.776 h18
  text "EPS V3 / [FLIGHT]" at 28.956,6.35 h1
Mechanical 1:
  circle w0.254: c47.445,45.085 r40.95
  rectangle: 38.446,72.706 56.896,79.186
  lines w0.254: -0.11,75 14.89,75 14.89,90 ; 0.01,14.971 15.01,14.971 15.01,-0.029 ; 50,40.843 50,30.01 50,26.85 50,17.09 50,13.67 15,13.67 15,73.67 50,73.67 50,64.38 50,60.21 50,56.49 50,53.1 ; 79.66,0.01 79.66,15.01 94.66,15.01 ; 79.66,90 79.66,75 94.59,75 ; 40.894,67.376 cw(c40.894,75.946) 40.894,84.516 54.422,84.516 cw(c54.422,75.946) 54.422,67.376 40.894,67.376
Route Tool Path:
  lines w0.152: 0,0 0,90.17 94.666,90.17 94.666,36.322 90.17,36.322 90.17,15.367 94.666,15.367 94.666,0 0,0 ; 37.56,66.656 ccw(c38.264,66.656) 38.264,65.952 56.93,65.952 ccw(c56.93,66.68) 57.658,66.68 57.658,73.372 ccw(c56.948,73.372) 56.948,74.082 38.268,74.082 ccw(c38.268,73.374) 37.56,73.374 37.56,66.656
Mechanical 5:
  rectangle: 15.011,22.695 20.066,82.652
  rectangle: 42.164,22.695 50.038,41.402
  rectangle: 42.64,51.054 48.716,57.237
  rectangle: 40.64,66.04 50.009,82.651